# Altium PCB Main.PcbDoc (part 1 of 5)
Units mm, origin at the board's own origin, x right, y up, seen from the top; angles counter-clockwise.
Board outline 150.25 x 70.25 mm, 2 copper layers (Top Layer, Bottom Layer); 122 components, 135 nets, 595 pads, 384 vias.
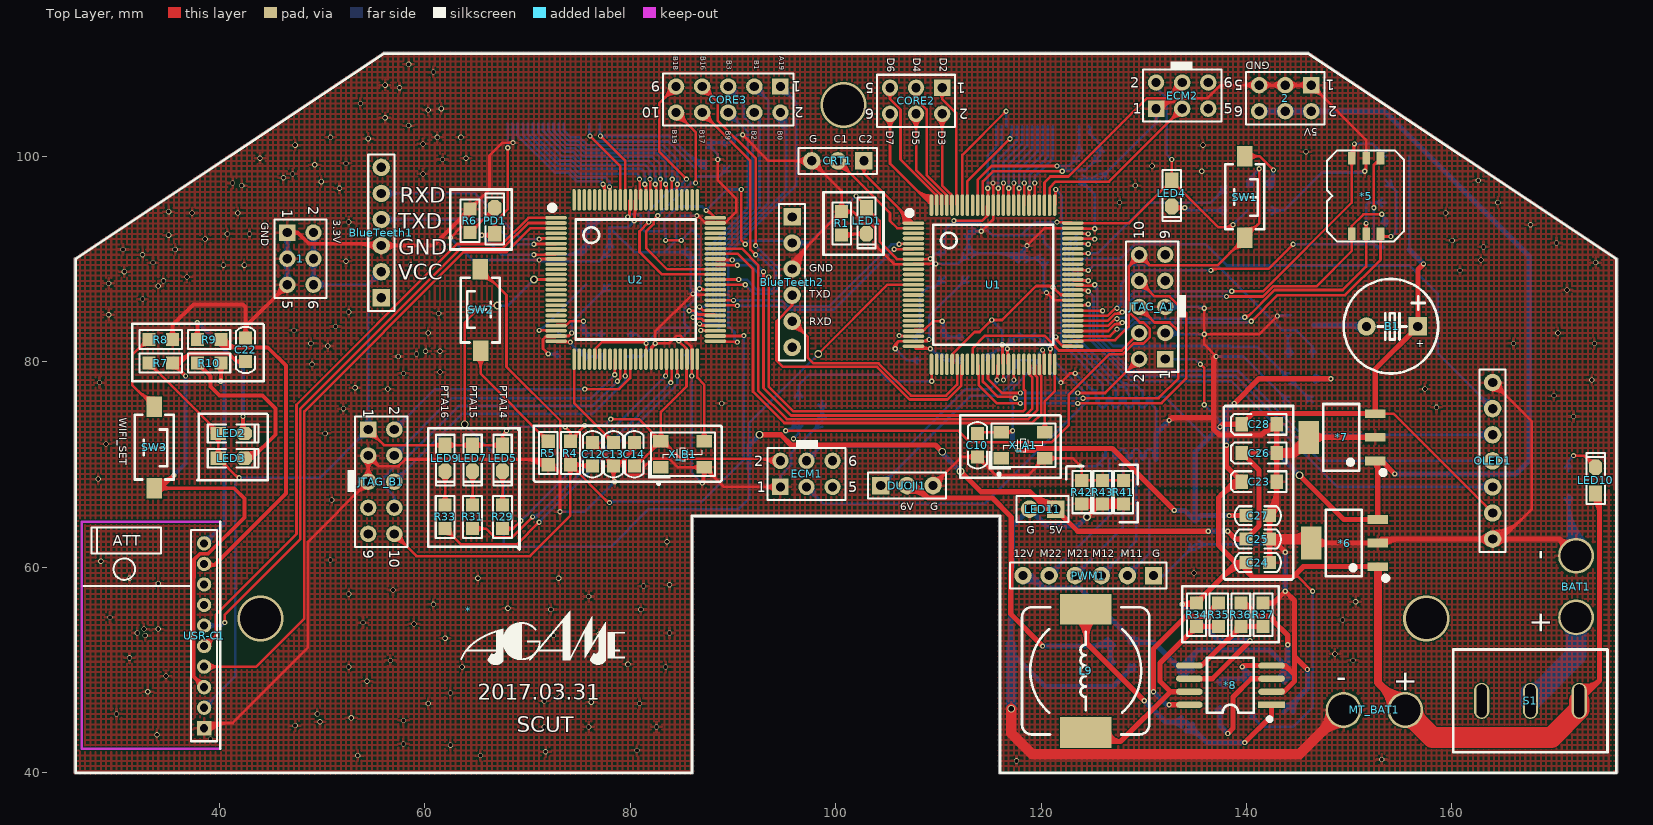
[diagram p0: Top Layer view]
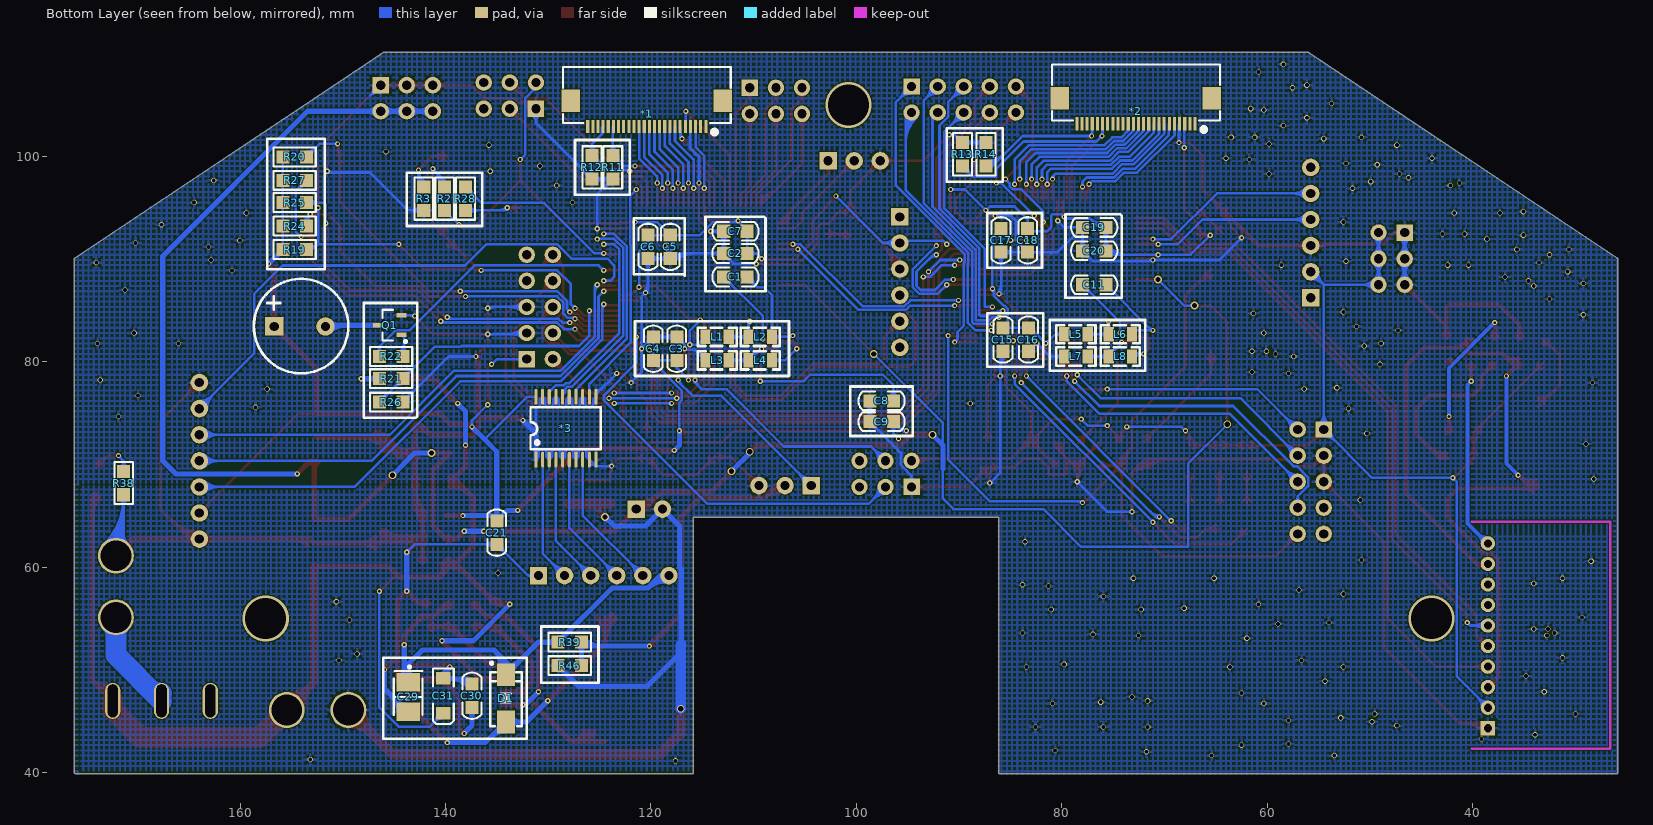
[diagram p1: Bottom Layer view, seen from below]

## Layer stack, top to bottom
Top Solder: solder mask 0.0102, Solder Resist, Dk 3.5
Top Layer: signal copper 0.0356
Dielectric 1: dielectric 0.32, FR-4, Dk 4.8
Bottom Layer: signal copper 0.0356
Bottom Solder: solder mask 0.0102, Solder Resist, Dk 3.5

## Board outline
26,39.873 cw(c26,40) 25.873,40 25.873,90 cw(c26,90) 25.93,90.106 55.929,110.106 cw(c56,110) 56,110.127 146,110.127 cw(c146,110) 146.071,110.106 176.07,90.106 176.071,90.106 176.07,90.106 cw(c176,90) 176.127,90 176.127,40 cw(c176,40) 176,39.873 116,39.873 cw(c116,40) 115.873,40 115.873,64.873 86.127,64.873 86.127,40 cw(c86,40) 86,39.873

## Design rules (kind name [scope] priority, off if disabled: settings)
Clearance [All] p1: gap=0.1
HoleSize [All] p1: absolutevalues=TRUE maxlimit=4 minlimit=0.254 maxpercent=80.000 minpercent=20.000
HoleToHoleClearance [All] p1: gap=0.1 allowstackedmicrovias=TRUE
MinimumSolderMaskSliver [All] p1: minsoldermaskwidth=0.09
PolygonConnect [All] p1: connectstyle=Relief reliefconductorwidth=0.254 reliefentries=4 polygonreliefangle="90 Angle" airgapwidth=0.254
RoutingVias [All] p1: holewidth=0.3 width=0.6 viastyle="Through Hole" minholewidth=0.254 minwidth=0.508 maxholewidth=0.8 maxwidth=1.6
SilkToSilkClearance [All] p1: silktosilkclearance=0
SilkToSolderMaskClearance [IsPad] p1: minsilkscreentomaskgap=0 clearancetoexposedcopper=TRUE
SolderMaskExpansion [All] p1: expansion=0.025
Width [All] p1: maxlimit=5 minlimit=0.1 preferedwidth=0.254
25 further rules are at their usual default settings.

## Classes and differential pairs
component class Source: 1 2 *6 *7 *8 BAT1 C23 C24 C25 C26 C27 C28 C29 C30 C31 CORE2 CORE3 D1 L9 LED10 LED11 MT_BAT1 R34 R35 R36 R37 R38 R39 R41 R42 R43 R46 S1
component class MCU: * *1 *2 *3 *5 B1 BlueTeeth1 BlueTeeth2 C21 C22 CRT1 DUOJI1 ECM1 ECM2 LED2 LED3 LED4 LED5 LED7 LED9 OLED1 PWM1 Q1 R7 R8 R9 R10 R11 R12 R13 R14 R19 R20 R21 R22 R24 R25 R26 R27 R28 R29 R31 R33 SW3 USR-C1
component class CoreBoard2: C11 C12 C13 C14 C15 C16 C17 C18 C19 C20 JTAG_B1 L5 L6 L7 L8 PD1 R4 R5 R6 SW2 U2 X_B1
component class CoreBoard1: C1 C2 C3 C4 C5 C6 C7 C8 C9 C10 JTAG_A1 L1 L2 L3 L4 LED1 R1 R2 R3 SW1 U1 X_A1

## Components (designator, comment, footprint, x,y, rotation, side; value= is the part's Value field where it differs from the comment)
1 "Header3X2" HDR-3X2 46.609,92.583 r270 top
2 "Header3X2" HDR-3X2 146.304,106.934 r180 top
* "logo" Logo_0.15 64.262,55.753 r0 top
*1 "FPC24P" "FPC0.5 2H-S-W-24P" 120.396,105.41 r0 bottom
*2 "FPC24P" "FPC0.5 2H-S-W-24P" 72.771,105.664 r0 bottom
*3 "74LVC245" TSSOP-20 131.191,70.485 r90 bottom
*5 "小五向开关" 小五向开关 151.638,96.139 r180 top
*6 "LM2940" SOT223_N 149.479,62.357 r90 top
*7 "LM2937" SOT223_N 149.225,72.644 r90 top
*8 "MC34063" SOP8W_M 138.43,48.514 r180 top
B1 "DC5V" "BEEP 5x9x5.5" 154.178,83.439 r90 top
BAT1 "Header 2" POWER 172.085,55.118 r90 top
BlueTeeth1 "HDR-1X6" HDR-1X6_M 55.753,86.233 r90 top
BlueTeeth2 "HDR-1X6" HDR-1X6_M 95.758,94.107 r270 top
C1 "105" "C 0805" 111.76,88.265 r180 bottom
C2 "104" "C 0805" 111.76,90.551 r180 bottom
C3 "104" "C 0805" 117.475,81.28 r270 bottom
C4 "104" "C 0805" 119.761,81.28 r270 bottom
C5 "104" "C 0805" 118.11,91.186 r90 bottom
C6 "104" "C 0805" 120.269,91.186 r90 bottom
C7 "104" "C 0805" 111.76,92.71 r180 bottom
C8 "104" "C 0805" 97.536,76.2 r180 bottom
C9 "105" "C 0805" 97.536,74.168 r180 bottom
C10 "104" "C 0805" 113.792,71.882 r90 top
C11 "105" "C 0805" 76.835,87.503 r180 bottom
C12 "105" "C 0805" 76.327,70.993 r270 top
C13 "104" "C 0805" 78.359,70.993 r90 top
C14 "104" "C 0805" 80.391,70.993 r270 top
C15 "104" "C 0805" 85.725,82.169 r90 bottom
C16 "104" "C 0805" 83.236,82.169 r90 bottom
C17 "104" "C 0805" 85.903,91.821 r90 bottom
C18 "104" "C 0805" 83.312,91.821 r90 bottom
C19 "104" "C 0805" 76.835,93.091 r180 bottom
C20 "104" "C 0805" 76.835,90.805 r180 bottom
C21 "105" "C 0805" 135.001,63.373 r90 bottom
C22 "105" "C 0805" 42.545,81.153 r270 top
C23 "Cap2" "CD A(3216)" 141.224,68.326 r0 top
C24 "Cap" "C 0805" 141.097,60.452 r180 top
C25 "Cap" "C 0805" 141.097,62.738 r180 top
C26 "Cap2" "CD A(3216)" 141.224,71.12 r0 top
C27 "Cap" "C 0805" 141.097,65.024 r180 top
C28 "Cap2" "CD A(3216)" 141.224,73.914 r0 top
C29 "Cap Pol1" 钽电容B型3528 143.51,47.244 r270 bottom
C30 "Cap" "C 0805" 137.414,47.484 r90 bottom
C31 "Cap Pol1" "CD A(3216)" 140.208,47.484 r90 bottom
CORE2 "Header3X2" HDR-3X2 110.363,106.68 r180 top
CORE3 "Header 5X2" HDR-5X2 94.615,106.807 r180 top
CRT1 "HDR-1X3" HDR-1X3 102.743,99.568 r180 top
D1 "IN5819" SMA 134.112,47.23 r90 bottom
DUOJI1 "HDR-1X3" HDR-1X3 104.394,67.945 r0 top
ECM1 "Header3X2" HDR-3X2 94.615,67.818 r0 top
ECM2 "Header3X2" HDR-3X2 131.191,104.648 r0 top
JTAG_A1 "Header 5X2" HDR-5X2 132.08,80.264 r90 top
JTAG_B1 "Header 5X2" HDR-5X2 54.483,73.406 r270 top
L1 "4.8nH" "L 0805" 113.538,82.423 r180 bottom
L2 "4.8nH" "L 0805" 109.347,82.423 r180 bottom
L3 "4.8nH" "L 0805" 113.538,80.137 r180 bottom
L4 "4.8nH" "L 0805" 109.347,80.137 r180 bottom
L5 "4.8nH" "L 0805" 78.613,82.677 r180 bottom
L6 "4.8nH" "L 0805" 74.295,82.677 r180 bottom
L7 "4.8nH" "L 0805" 78.613,80.518 r180 bottom
L8 "4.8nH" "L 0805" 74.295,80.518 r180 bottom
L9 "Inductor" CDRH125 124.333,49.911 r90 top
LED1 "红色" "LED 0805B" 102.997,93.726 r270 top
LED2 "红色" "LED 0805B" 41.148,73.025 r0 top
LED3 "红色" "LED 0805B" 41.148,70.612 r0 top
LED4 "红色" "LED 0805B" 132.715,96.393 r270 top
LED5 "红色" "LED 0805B" 67.564,70.612 r270 top
LED7 "红色" "LED 0805B" 64.643,70.612 r270 top
LED9 "红色" "LED 0805B" 61.976,70.612 r270 top
LED10 "红色" "LED 0805B" 173.99,68.453 r90 top
LED11 "HDR-1X2" HDR-1X2 121.412,65.659 r180 top
MT_BAT1 "Header 2" POWER 155.448,46.101 r180 top
OLED1 "OLED 1.3-12864_7pin" HDR-1X7_M 163.957,62.738 r90 top
PD1 "LED" "LED 0805R" 66.802,93.726 r90 top
PWM1 "HDR-1X6" HDR-1X6 130.937,59.182 r180 top
Q1 "SS8050" SOT23-3L 145.415,83.566 r90 bottom
R1 "10K" "R 0805" 100.584,93.472 r90 top
R2 "4.7K" "R 0805" 140.081,95.885 r270 bottom
R3 "100R" "R 0805" 142.113,95.885 r90 bottom
R4 "4.7K" "R 0805" 74.168,71.12 r90 top
R5 "100R" "R 0805" 72.009,71.12 r90 top
R6 "10K" "R 0805" 64.389,93.726 r90 top
R7 "4.7K" "R 0805" 34.29,79.883 r180 top
R8 "100R" "R 0805" 34.29,82.169 r180 top
R9 "10K" "R 0805" 38.989,82.169 r0 top
R10 "10K" "R 0805" 38.989,79.883 r0 top
R11 "150R" "R 0805" 123.698,98.933 r90 bottom
R12 "150R" "R 0805" 125.73,98.933 r90 bottom
R13 "150R" "R 0805" 89.662,100.203 r270 bottom
R14 "150R" "R 0805" 87.376,100.203 r270 bottom
R19 "1K" "R 0805" 154.686,90.932 r180 bottom
R20 "1K" "R 0805" 154.686,99.949 r180 bottom
R21 "10K" "R 0805" 145.288,78.359 r180 bottom
R22 "1K" "R 0805" 145.288,80.518 r180 bottom
R24 "1K" "R 0805" 154.686,93.218 r180 bottom
R25 "1K" "R 0805" 154.686,95.504 r180 bottom
R26 "10K" "R 0805" 145.288,76.073 r0 bottom
R27 "1K" "R 0805" 154.686,97.663 r180 bottom
R28 "10K" "R 0805" 138.049,95.885 r90 bottom
R29 "10K" "R 0805" 67.564,64.897 r270 top
R31 "10K" "R 0805" 64.643,64.897 r270 top
R33 "10K" "R 0805" 61.976,64.897 r270 top
R34 "Res2" "R 0805" 135.128,55.372 r90 top
R35 "Res2" "R 0805" 137.287,55.372 r270 top
R36 "Res2" "R 0805" 139.446,55.372 r270 top
R37 "Res2" "R 0805" 141.605,55.372 r270 top
R38 "10K" "R 0805" 171.323,68.199 r270 bottom
R39 "Res2" "R 0805" 127.889,52.705 r180 bottom
R41 "Res2" "R 0805" 128.016,67.31 r270 top
R42 "Res2" "R 0805" 123.952,67.31 r270 top
R43 "Res2" "R 0805" 125.984,67.31 r270 top
R46 "Res2" "R 0805" 127.889,50.419 r180 bottom
S1 "SW-SPST" SW_P 167.64,46.99 r180 top
SW1 "3x6x5" "TSW SMD-3*6*2.5" 139.827,96.012 r270 top
SW2 "3x6x5" "TSW SMD-3*6*2.5" 65.405,85.09 r90 top
SW3 "3x6x5" "TSW SMD-3*6*2.5" 33.655,71.628 r270 top
U1 "MK60DN512VLL10" "LQFP100 14x14_M" 115.316,87.503 r270 top
U2 "MK60DN512VLL10" "LQFP100 14x14_M" 80.518,88.011 r270 top
USR-C1 "USR-C215" DIP2.0*1-10-M 38.481,44.323 r0 top
X_A1 "26M" XTAL-5032 118.237,71.882 r0 top
X_B1 "50M" XTAL-5032 85.09,70.993 r0 top

## Footprints (in the part's own frame and the unit in brackets; to place one, negate y for a bottom-side part, rotate by r counter-clockwise, add the part's x,y. Pads: shape width x height; smd on the part's side, far side on the other; paste and mask are expansions set on the pad)
"BEEP 5x9x5.5" [mm] "5*9*5.5mm(脚距,直径,高度)"
  rect 1.8x1.8 hole 0.9: 1(0,-2.5)
  round 1.8 hole 0.9: 2(0,2.5)
  silkscreen extent -4.57,-4.47 4.62,4.73, body extent -4.5,-4.5 4.5,4.5, height 5.45
"C 0805" [mil] "无极性贴片电容"
  rect 50x50 smd: 1(-45,0) 2(45,0)
  silkscreen extent -89,-36 89,36, body extent -39,-24 39,24, height 20
"CD A(3216)" [mm] "长3.2mm，宽1.6mm，厚1.6mm"
  rect 1.2x1.4 smd: 1(-1.7,0) 2(1.7,0)
  silkscreen extent -2.74,-1.02 2.67,1.02, body extent -1.6,-0.8 1.6,0.8, height 1.6
CDRH125 [mm] "12*12*5mm（长宽高）"
  rect 3x5 smd: 1(-6,0) 2(6,0)
  silkscreen extent -6.2,-6.2 6.2,6.2, body extent -6,-6 6,6, height 5.05
DIP2.0*1-10-M [mil]
  rect 55x55 hole 31.5: 1(1,0)
  round 55 hole 31.5: 2(1,78.74) 3(1,157.48) 4(1,236.22) 5(1,314.96) 6(1,393.7) 7(1,472.44) 8(1,551.18) 9(1,629.92) 10(1,708.66)
  Keep-Out Layer lines w10: 63,-78 -468.5,-78 -468.5,792.14 63,792.14
  silkscreen extent -461,-78 63,792
"FPC0.5 2H-S-W-24P" [mm] "长：16.2mm，宽：5.2mm，高：2mm"
  rect 1.8x2.2 smd: 0(-7.4,0) 0(7.4,0)
  rect 0.3x1.3 smd: 1(-5.75,2.497) 2(-5.25,2.497) 3(-4.75,2.497) 4(-4.25,2.497) 5(-3.75,2.497) 6(-3.25,2.497) 7(-2.75,2.497) 8(-2.25,2.497) 9(-1.75,2.497) 10(-1.25,2.497) 11(-0.75,2.497) 12(-0.25,2.497) 13(0.25,2.497) 14(0.75,2.497) 15(1.25,2.497) 16(1.75,2.497) 17(2.25,2.497) 18(2.75,2.497) 19(3.25,2.497) 20(3.75,2.497) 21(4.25,2.497) 22(4.75,2.497) 23(5.25,2.497) 24(5.75,2.497)
  silkscreen extent -8.18,-3.3 8.18,3.23, body extent -8.1,-3.15 8.1,2.85, height 2
HDR-1X2 [mm] "排针，2脚"
  rect 1.7x1.7 hole 0.9: 1(0,0)
  round 1.7 hole 0.9: 2(2.54,0)
  silkscreen extent -1.27,-1.27 3.81,1.27, body extent -1.27,-1.27 3.81,1.27, height 8.5
HDR-1X3 [mm] "排针，3脚"
  rect 1.7x1.7 hole 0.9: 1(0,0)
  round 1.7 hole 0.9: 2(2.54,0) 3(5.08,0)
  silkscreen extent -1.27,-1.27 6.35,1.27, body extent -1.27,-1.27 6.35,1.27, height 8.5
HDR-1X6 [mm] "排针，6脚"
  rect 1.7x1.7 hole 0.9: 1(0,0)
  round 1.7 hole 0.9: 2(2.54,0) 3(5.08,0) 4(7.62,0) 5(10.16,0) 6(12.7,0)
  silkscreen extent -1.27,-1.27 13.97,1.27, body extent -1.27,-1.27 13.97,1.27, height 8.5
HDR-1X6_M [mm] "排母，6脚"
  rect 1.7x1.7 hole 0.9: 1(0,0)
  round 1.7 hole 0.9: 2(2.54,0) 3(5.08,0) 4(7.62,0) 5(10.16,0) 6(12.7,0)
  silkscreen extent -1.27,-1.27 13.97,1.27, body extent -1.27,-1.27 13.97,1.27, height 8.5
HDR-1X7_M [mm] "排母，7脚"
  round 1.7 hole 0.9: 1(0,0) 2(2.54,0) 3(5.08,0) 4(7.62,0) 5(10.16,0) 6(12.7,0) 7(15.24,0)
  silkscreen extent -1.27,-1.27 16.51,1.27, body extent -1.27,-1.27 16.51,1.27, height 8.5
HDR-3X2 [mm] "双排排针，3x2脚"
  rect 1.6x1.6 hole 0.9: 1(0,0)
  round 1.6 hole 0.9: 2(0,2.54) 3(2.54,0) 4(2.54,2.54) 5(5.08,0) 6(5.08,2.54)
  silkscreen extent -1.27,-1.27 6.35,3.81, body extent -1.27,-1.27 6.35,3.81, height 8.5
HDR-5X2 [mm] "双排排针，5x2脚"
  rect 1.6x1.6 hole 0.9: 1(0,0)
  round 1.6 hole 0.9: 2(0,2.54) 3(2.54,0) 4(2.54,2.54) 5(5.08,0) 6(5.08,2.54) 7(7.62,0) 8(7.62,2.54) 9(10.16,0) 10(10.16,2.54)
  silkscreen extent -1.27,-1.27 11.43,3.81, body extent -1.27,-1.27 11.43,3.81, height 8.5
"L 0805" [mil] "小功率贴片电感"
  rect 40x55 smd: 1(-45,0) 2(45,0)
  silkscreen extent -75,-35 75,35, body extent -39,-24 39,24, height 35
"LED 0805B" [mil] "蓝色0805LED"
  rect 60x50 smd: 1(-50,0)
  oct 60x50 smd: 2(50,0)
  silkscreen extent -90,-35 105,35, body extent -39,-25 39,25, height 32
"LED 0805R" [mil] "红色0805LED"
  rect 60x50 smd: 1(-50,0)
  oct 60x50 smd: 2(50,0)
  silkscreen extent -90,-35 105,35, body extent -39,-25 39,25, height 32
Logo_0.15 [mm]
  silkscreen extent -0.78,-5.21 15.19,0
"LQFP100 14x14_M" [mm] "100脚，体宽14x14mm，脚距0.5mm"
  oval 0.35x2.1 smd: 1(-6,-7.747) 2(-5.5,-7.747) 3(-5,-7.747) 4(-4.5,-7.747) 5(-4,-7.747) 6(-3.5,-7.747) 7(-3,-7.747) 8(-2.5,-7.747) 9(-2,-7.747) 10(-1.5,-7.747) 11(-1,-7.747) 12(-0.5,-7.747) 13(0,-7.747) 14(0.5,-7.747) 15(1,-7.747) 16(1.5,-7.747) 17(2,-7.747) 18(2.5,-7.747) 19(3,-7.747) 20(3.5,-7.747) 21(4,-7.747) 22(4.5,-7.747) 23(5,-7.747) 24(5.5,-7.747) 25(6,-7.747) 51(6,7.758) 52(5.5,7.758) 53(5,7.758) 54(4.5,7.758) 55(4,7.758) 56(3.5,7.758) 57(3,7.758) 58(2.5,7.758) 59(2,7.758) 60(1.5,7.758) 61(1,7.758) 62(0.5,7.758) 63(0,7.758) 64(-0.5,7.758) 65(-1,7.758) 66(-1.5,7.758) 67(-2,7.758) 68(-2.5,7.758) 69(-3,7.758) 70(-3.5,7.758) 71(-4,7.758) 72(-4.5,7.758) 73(-5,7.758) 74(-5.5,7.758) 75(-6,7.758)
  oval 2.1x0.35 smd: 26(7.752,-5.994) 27(7.752,-5.494) 28(7.752,-4.994) 29(7.752,-4.494) 30(7.752,-3.994) 31(7.752,-3.494) 32(7.752,-2.994) 33(7.752,-2.494) 34(7.752,-1.994) 35(7.752,-1.494) 36(7.752,-0.994) 37(7.752,-0.494) 38(7.752,0.006) 39(7.752,0.506) 40(7.752,1.006) 41(7.752,1.506) 42(7.752,2.006) 43(7.752,2.506) 44(7.752,3.006) 45(7.752,3.506) 46(7.752,4.006) 47(7.752,4.506) 48(7.752,5.006) 49(7.752,5.506) 50(7.752,6.006) 76(-7.752,6.006) 77(-7.752,5.506) 78(-7.752,5.006) 79(-7.752,4.506) 80(-7.752,4.006) 81(-7.752,3.506) 82(-7.752,3.006) 83(-7.752,2.506) 84(-7.752,2.006) 85(-7.752,1.506) 86(-7.752,1.006) 87(-7.752,0.506) 88(-7.752,0.006) 89(-7.752,-0.494) 90(-7.752,-0.994) 91(-7.752,-1.494) 92(-7.752,-1.994) 93(-7.752,-2.494) 94(-7.752,-2.994) 95(-7.752,-3.494) 96(-7.752,-3.994) 97(-7.752,-4.494) 98(-7.752,-4.994) 99(-7.752,-5.494) 100(-7.752,-5.994)
  silkscreen extent -7.23,-8.38 5.84,5.85, body extent -8,-8 8,8.01, height 1.45
POWER [mm]
  round 3.5 hole 3: 1(0,0) 2(6,0)
"R 0805" [mil] "1/8W贴片电阻"
  rect 50x50 smd: 1(-45,0) 2(45,0)
  silkscreen extent -81,-36 81,36, body extent -39,-25 39,25, height 20
SMA [mm] "4.5x2.6*2.2mm（长宽高，不包括引脚）"
  rect 2.2x1.75 smd: 1(-2.3,0) 2(2.3,0)
  silkscreen extent -2.7,-1.52 3.56,1.52, body extent -2.53,-1.3 2.57,1.3, height 2.15
SOP8W_M [mm] "5.3*8.3*1.8mm（长宽高）"
  rect 2.6x0.6 smd: 1(-4,1.905)
  oval 2.6x0.6 smd: 2(-4,0.635) 3(-4,-0.635) 4(-4,-1.905) 5(4,-1.905) 6(4,-0.635) 7(4,0.635) 8(4,1.905)
  silkscreen extent -3.94,-2.67 2.29,3.43, body extent -3.94,-2.64 3.94,2.64, height 1.9
SOT23-3L [mm] "3x1.3x1mm(长宽高)"
  rect 0.45x1 smd: 1(-0.95,-1.143) 2(0.95,-1.143) 3(0,1.125)
  silkscreen extent -1.72,-1.65 1.5,0.7, body extent -1.5,-1.2 1.5,1.2, height 1.05
SOT223_N [mm] "6.4x7x1.6mm(长宽高)"
  rect 0.85x2 smd: 1(-2.3,-3.302) 2(0,-3.302) 3(2.3,-3.302)
  rect 3.2x2 smd: 2(0,3.175)
  silkscreen extent -3.63,-4.26 3.25,1.75, body extent -3.25,-3.51 3.25,3.51, height 1.65
SW_P [mm]
  oval 1.5x3.5 hole 1 slot 3.2 at 90 deg: 1(-4.75,0) 2(0,0) 3(4.75,0)
  silkscreen extent -7.5,-5 7.5,5
TSSOP-20 [mil]
  rect 60x12 smd: 1(0,0)
  oval 60x12 smd: 2(0,-25.59) 3(0,-51.18) 4(0,-76.77) 5(0,-102.36) 6(0,-127.95) 7(0,-153.54) 8(0,-179.13) 9(0,-204.72) 10(0,-230.31) 11(240.16,-230.31) 12(240.16,-204.72) 13(240.16,-179.13) 14(240.16,-153.54) 15(240.16,-127.95) 16(240.16,-102.36) 17(240.16,-76.77) 18(240.16,-51.18) 19(240.16,-25.59) 20(240.16,0)
  silkscreen extent 40,-249 200,20, body extent 6,-254 234,24, height 79
"TSW SMD-3*6*2.5" [mm] "3*6*2.5mm"
  rect 2x1.5 smd: 1(-3.996,-0.02) 2(3.937,0)
  silkscreen extent -3.21,-1.9 3.09,1.9, body extent -4,-1.88 4,1.62, height 2.59
XTAL-5032 [mm]
  rect 1.5x1.2 smd: 1(-2.108,-1.27) 2(2.108,-1.27) 3(2.108,1.27) 4(-2.108,1.27)
  silkscreen extent -3.35,-2.95 3.15,2.11, body extent -2.5,-1.6 2.5,1.6, height 1
小五向开关 [mm]
  rect 0.75x1.2 smd: 1(-1.397,-3.683) 2(0,-3.683) 3(1.397,-3.683) 4(1.397,3.683) 5(0,3.683) 6(-1.397,3.683)
  silkscreen extent -3.68,-4.44 3.81,4.44
钽电容B型3528 [mm]
  rect 1.8x2.3 smd: 1(-1.577,-0.127) 2(1.323,-0.127)
  silkscreen extent -3.17,-1.52 1.65,1.27, body extent -1.98,-1.59 1.72,1.34, height 2.03

## Part data
1 2 CORE2 ECM1 ECM2: library part "Header 3X2", "3*2P接插件"
*7: library part LM2940
B1: library part BEEP, "蜂鸣器"
BAT1 MT_BAT1: "Header, 2-Pin"
BlueTeeth1 BlueTeeth2 PWM1: library part "Header 6", "6P接插件"
C1 C2 C3 C4 C5 C6 C7 C8 C9 C11 C12 C13 C15 C16 C17 C18 C19 C20 C21 C22: library part CAP, "Capacitor"
C10 C14: library part C, "无极性贴片电容"
C23 C24 C25 C26 C27 C28 C30: "Capacitor"
C29 C31: "Polarized Capacitor (Radial)"
CORE3 JTAG_A1 JTAG_B1: "5*2P接插件"
CRT1 DUOJI1: library part "Header 3", "3P接插件"
D1: library part Diode, "Default Diode"
L1 L2 L3 L4 L5 L6 L7 L8: library part Inductor, "Inductor"
LED1 LED2 LED3 LED4 LED5 LED7 LED9 LED10: library part LED-SMD, "贴片LED"
LED11: library part "Header 2", "2P接插件"
OLED1: "12864 点阵屏"
Q1: library part 8050-SMD, "高频放大-NPN型"
R1 R2 R3 R4 R5 R6 R7 R8 R9 R10 R11 R12 R13 R14 R21 R22 R26 R28 R29 R31 R33 R38: library part Res2, "Resistor"
R19 R20 R24 R25 R27: library part R, "贴片电阻"
R34 R35 R36 R37 R39 R41 R42 R43 R46: "Resistor"
S1: "Single-Pole, Single-Throw Switch"
SW1 SW2 SW3: library part "TSW 3x6", "3x6轻触开关"
U1 U2: library part MK60DN512ZVLQ10, "MK60DN512ZVLL10"
USR-C1: "串口转WIFI"
X_A1 X_B1: library part XTAL-4, "4脚晶振"

## Via types
v1: diameter 0.508, hole 0.254, Top Layer to Bottom Layer, tented both sides, 206 vias
v2: diameter 0.508, hole 0.381, Top Layer to Bottom Layer, tented both sides, 164 vias
v3: diameter 0.762, hole 0.508, Top Layer to Bottom Layer, tented both sides, 11 vias
v4: diameter 4.5, hole 4, Top Layer to Bottom Layer, tented both sides, 3 vias

## Nets (pads, with @x,y where several pads share a name; then routed paths per layer and width w, separated by ;. In a path a pad name is that pad's centre, name@x,y a point inside that pad or via, vN(x,y) a via of type N, cw(c..) or ccw(c..) an arc to the next point about the centre after c; other vN are vias at no path point)
3.3V: 1.2 1.4 1.6 *1.3 *2.3 *3.20 *7.3 B1.1 BlueTeeth1.2 BlueTeeth2.2 C2.2 C3.2 C4.2 C5.2 C6.2 C7.2 C10.2 C14.2 C15.2 C16.2 C17.2 C18.2 C19.2 C20.2 C21.2 C27.2 C28.1 ECM1.2 ECM2.2 JTAG_A1.1 JTAG_B1.1 L1.1 L5.1 LED1.1 LED2.1 LED3.1 LED4.1 LED5.1 LED7.1 LED9.1 OLED1.2 PD1.1 R2.2 R4.2 R7.2 R19.1 R20.1 R24.1 R25.1 R27.1 U1.8 U1.30 U1.40 U1.48 U1.61 U1.75 U1.89 U2.8 U2.30 U2.40 U2.48 U2.61 U2.75 U2.89 USR-C1.2 X_A1.4 X_B1.4 | length 615.1
  Top Layer w0.254: R7.2@33.147,79.375 cw(c33.147,78.149) 34.014,79.016 cw(c34.881,79.883) R7.2@33.655,79.883 ; R7.2@33.147,79.883 39.878,73.152 LED2.1@39.878,73.025 LED3.1@39.878,70.612 41.783,68.707 v1(41.91,68.707) ; 38.704,74.326 cw(c37.403,73.025) LED2.1@39.243,73.025 ; 39.138,73.892 cw(c38.271,73.025) LED2.1@39.497,73.025 ; 39.317,73.713 ccw(c39.751,74.146) LED2.1@39.751,73.533 ; LED3.1@39.519,70.971 ccw(c38.652,71.838) 39.878,71.838 ccw(c41.104,71.838) LED3.1@40.237,70.971 ; LED2.1@39.519,72.666 cw(c38.652,71.799) 39.878,71.799 cw(c41.104,71.799) LED2.1@40.237,72.666 ; LED3.1@40.005,70.104 cw(c40.005,69.184) 40.655,69.835 ; LED3.1@40.259,70.612 ccw(c41.179,70.612) 40.528,69.962 ; LED3.1@40.513,70.612 ccw(c42.046,70.612) 40.962,69.528 ; 41.476,69.014 ccw(c41.91,69.447) v1@41.91,68.834 ; JTAG_B1.1@54.483,72.733 cw(c54.483,71.108) 55.632,72.257 cw(c56.781,73.406) JTAG_B1.1@55.156,73.406 ; JTAG_B1.1@54.483,72.987 cw(c54.483,71.975) 55.198,72.691 cw(c55.914,73.406) JTAG_B1.1@54.902,73.406 ; JTAG_B1.1@54.483,73.406 55.996,71.893 61.965,71.893 LED9.1@61.976,71.882 LED7.1@64.643,71.882 LED5.1@67.564,71.882 67.564,72.898 ; 60.723,71.893 cw(c60.723,70.629) LED9.1@61.617,71.523 ; 60.776,71.893 ccw(c60.776,73.082) LED9.1@61.617,72.241 ; 61.336,71.893 cw(c61.336,71.242) LED9.1@61.796,71.702 ; LED9.1@62.335,71.523 cw(c63.202,70.656) 63.202,71.882 cw(c63.202,73.108) LED9.1@62.335,72.241 ; LED7.1@64.284,71.523 ccw(c63.417,70.656) 63.417,71.882 ccw(c63.417,73.108) LED7.1@64.284,72.241 ; LED7.1@65.002,71.523 cw(c65.869,70.656) 65.869,71.882 cw(c65.869,73.108) LED7.1@65.002,72.241 ; v1(65.532,92.329) 66.675,92.329 PD1.1@66.802,92.456 66.802,93.595 ; v1@65.596,92.219 cw(c65.768,91.92) 65.857,92.253 ; v1@65.596,92.439 ccw(c65.768,92.738) 65.857,92.405 ; v1@65.622,92.239 cw(c65.839,92.022) 65.839,92.329 cw(c65.839,92.636) v1@65.622,92.419 ; v1@65.642,92.265 cw(c65.874,92.131) 65.805,92.39 ; v1@65.642,92.393 ccw(c65.874,92.527) 65.805,92.268 ; PD1.1@66.443,91.97 ccw(c65.576,91.103) 65.576,92.329 ccw(c65.576,93.555) PD1.1@66.443,92.688 ; PD1.1@66.498,92.99 ccw(c66.047,93.595) 66.802,93.595 ; PD1.1@67.106,92.99 cw(c67.557,93.595) 66.802,93.595 ; LED5.1@67.205,71.523 ccw(c66.338,70.656) 66.338,71.882 ccw(c66.338,73.108) LED5.1@67.205,72.241 ; LED5.1@67.306,72.447 ccw(c67.04,72.898) 67.564,72.898 ; v1@67.818,73.279 cw(c67.511,73.279) 67.728,73.062 cw(c67.945,72.845) v1@67.945,73.152 ; LED5.1@67.822,72.447 cw(c68.088,72.898) 67.564,72.898 ; v1(67.945,73.279) 67.564,72.898 ; v1@67.982,100.748 cw(c67.765,100.531) 68.072,100.531 cw(c68.379,100.531) v1@68.162,100.748 ; v1(68.072,100.838) 68.072,94.865 66.802,93.595 ; v1(70.612,90.424) 72.684,90.424 U2.8@72.771,90.511 ; v1@70.702,90.334 cw(c70.919,90.117) 70.919,90.424 cw(c70.919,90.731) v1@70.702,90.514 ; 71.57,90.424 ccw(c71.57,90.837) U2.8@71.862,90.545 ; v1@73.66,73.533 cw(c73.66,73.226) 73.877,73.443 cw(c74.094,73.66) v1@73.787,73.66 ; v1(73.66,73.66) 74.168,73.152 ; R4.2@73.91,72.701 ccw(c73.644,73.152) 74.168,73.152 ; R4.2@74.168,72.263 R4.2@74.168,72.39 ; R4.2@74.168,72.771 ccw(c74.168,73.691) 74.818,73.04 ; R4.2@74.422,72.263 cw(c75.342,72.263) 74.691,72.913 ; R4.2@74.426,72.701 cw(c74.692,73.152) 74.168,73.152 ; R4.2@74.676,72.263 cw(c76.209,72.263) 75.125,73.347 ; v1@75.438,73.787 cw(c75.131,73.787) 75.348,73.57 cw(c75.565,73.353) v1@75.565,73.66 ; v1(75.565,73.787) R4.2@74.168,72.39 ; U2.30@76.524,80.259 76.622,80.357 76.622,81.3 77.236,81.915 81.407,81.915 v1(81.534,81.788) ; v1(78.105,74.422) 80.823,74.422 X_B1.4@82.982,72.263 ; v1@78.195,74.332 cw(c78.412,74.115) 78.412,74.422 cw(c78.412,74.729) v1@78.195,74.512 ; v1(79.756,94.107) 79.926,94.277 79.926,95.665 U2.89@80.024,95.763 ; 79.926,94.536 cw(c80.376,94.536) U2.89@80.058,94.854 ; C14.2@80.391,69.85 80.569,69.85 X_B1.4@82.982,72.263 ; C14.2@80.391,70.104 ccw(c80.391,71.146) 81.128,70.409 ; C14.2@80.391,70.358 ccw(c80.391,72.014) 81.562,70.843 ; C14.2@80.899,69.85 cw(c81.696,69.85) 81.132,70.414 ; U2.40@81.524,80.259 81.534,80.269 v1(81.534,81.788) ; v1@81.624,81.698 v1(81.534,81.788) ; 81.918,71.199 ccw(c80.855,72.263) 82.359,72.263 ccw(c80.855,72.263) 81.918,73.327 ; 82.28,71.562 cw(c82.832,71.01) X_B1.4@82.832,71.79 ; 82.28,72.964 ccw(c82.832,73.516) X_B1.4@82.832,72.736 ; 82.352,71.633 ccw(c81.722,72.263) 82.613,72.263 ccw(c81.722,72.263) 82.352,72.893 ; X_B1.4@82.647,72.597 ccw(c81.84,73.405) 82.982,73.405 ccw(c84.124,73.405) X_B1.4@83.316,72.597 ; X_B1.4@83.132,71.79 cw(c83.132,70.397) 84.117,71.382 ; X_B1.4@83.132,72.044 cw(c83.132,71.264) X_B1.4@83.683,71.816 ; v1(83.439,91.821) v1(84.963,91.821) ; X_B1.4@83.605,72.263 ccw(c84.496,72.263) 83.866,71.633 ; v1(84.709,82.042) 85.471,81.28 85.471,77.597 82.982,75.108 X_B1.4@82.982,72.517 ; 85.375,81.376 cw(c85.133,81.134) U2.48@85.476,81.134 ; 85.471,79.141 cw(c85.766,79.141) U2.48@85.558,79.35 ; v1(86.741,87.122) 86.852,87.011 U2.61@88.276,87.011 ; v1@86.831,87.212 ccw(c87.316,87.697) U2.61@87.316,87.011 ; v1@87.376,94.615 cw(c87.376,93.9) 87.881,94.406 ; v1(87.376,94.742) 87.545,94.742 U2.75@88.276,94.011 ; v1(90.805,96.774) 90.805,91.821 v1(91.186,91.44) ; 92.527,70.55 cw(c92.527,68.27) ECM1.2@94.139,69.882 ; 93.14,70.55 cw(c93.14,68.883) ECM1.2@94.319,70.062 ; 93.454,70.55 ccw(c93.454,71.519) ECM1.2@94.139,70.834 ; 93.753,70.55 cw(c93.753,69.496) ECM1.2@94.498,70.241 ; ECM1.2@94.615,70.358 94.423,70.55 84.949,70.55 X_B1.4@82.982,72.517 ; v1(101.981,96.139) 102.997,95.123 LED1.1@102.997,94.996 104.267,93.726 104.267,91.694 105.958,90.003 U1.8@107.569,90.003 109.18,90.003 v1(109.22,90.043) ; 108.817,90.003 ccw(c108.817,90.446) v1@109.13,90.133 ; U1.30@111.322,79.751 111.42,79.849 111.42,80.792 ; U1.30@111.369,80.634 cw(c111.548,80.664) 111.42,80.792 ; U1.30@111.37,80.626 cw(c111.651,80.626) 111.452,80.824 ; v1(111.506,93.726) 114.236,93.726 114.724,94.214 ; C10.2@114.046,73.152 X_A1.4@116.129,73.152 v1@117.094,73.152 ; 114.691,94.182 ccw(c114.492,94.38) U1.89@114.774,94.38 ; v1@114.718,96.811 cw(c114.469,96.562) 114.822,96.562 ; 114.724,94.187 cw(c114.876,94.187) U1.89@114.835,94.334 ; U1.89@114.774,94.372 cw(c114.595,94.342) 114.724,94.214 ; v1(114.808,96.901) 114.822,96.887 U1.89@114.822,95.255 114.724,95.157 114.724,94.214 ; 114.822,96.627 cw(c115.082,96.627) v1@114.898,96.811 ; v1@115.062,84.074 cw(c114.755,84.074) 114.972,83.857 cw(c115.189,83.64) v1@115.189,83.947 ; v1@115.279,83.984 cw(c115.496,83.767) 115.496,84.074 cw(c115.496,84.381) v1@115.279,84.164 ; v1@116.115,81.571 cw(c115.833,81.289) 116.232,81.289 ; v1(116.205,81.661) 116.232,81.634 116.232,79.84 U1.40@116.322,79.751 116.322,78.242 v1(116.332,78.232) ; v1@116.242,78.322 ccw(c116.05,78.514) 116.322,78.514 ; 116.322,78.564 ccw(c116.664,78.564) v1@116.422,78.322 ; X_A1.4@116.608,73.152 ccw(c116.608,73.892) v1@117.131,73.369 ; X_A1.4@116.689,72.917 cw(c117.094,72.686) v1@117.094,73.152 ; X_A1.4@116.689,73.387 ccw(c117.094,73.618) v1@117.094,73.152 ; X_A1.4@116.739,73.057 ccw(c116.58,73.649) v1@117.111,73.343 ; v1(117.221,73.279) v1@117.094,73.152 ; v1(120.142,81.153) 120.269,81.026 120.269,79.803 U1.48@120.322,79.751 ; 120.545,87.376 cw(c120.545,86.636) v1@121.068,87.159 ; v1@121.158,87.122 cw(c121.158,86.815) 121.375,87.032 cw(c121.592,87.249) v1@121.285,87.249 ; v1(121.539,93.599) 122.978,93.599 U1.75@123.074,93.503 128.555,93.503 LED4.1@132.715,97.663 ; 121.613,86.794 ccw(c122.199,87.379) U1.61@122.199,86.551 ; U1.61@123.074,86.503 123.058,86.487 121.92,86.487 v1(121.158,87.249) 121.031,87.376 119.507,87.376 116.205,84.074 v1(115.189,84.074) 114.019,82.904 113.531,82.904 111.42,80.792 ; v1(132.715,99.695) LED4.1@132.715,97.663 ; v1(135.509,79.756) 135.89,79.375 v1(135.89,75.819) ; 137.764,93.091 ccw(c137.764,94.265) v1@138.594,93.435 ; 138.377,93.091 ccw(c138.377,93.652) v1@138.774,93.255 ; v1@138.557,93.345 cw(c138.25,93.345) 138.467,93.128 cw(c138.684,92.911) v1@138.684,93.218 ; v1(138.684,93.345) 138.43,93.091 137.287,93.091 LED4.1@132.715,97.663 ; *7.3@152.527,74.944 154.305,74.944 OLED1.2@163.971,65.278 ; R4.2@74.168,72.39 74.168,73.152 ; X_B1.4@82.982,72.263 X_B1.4@82.982,72.517